# KiCad board pcb.kicad_pcb (continued)
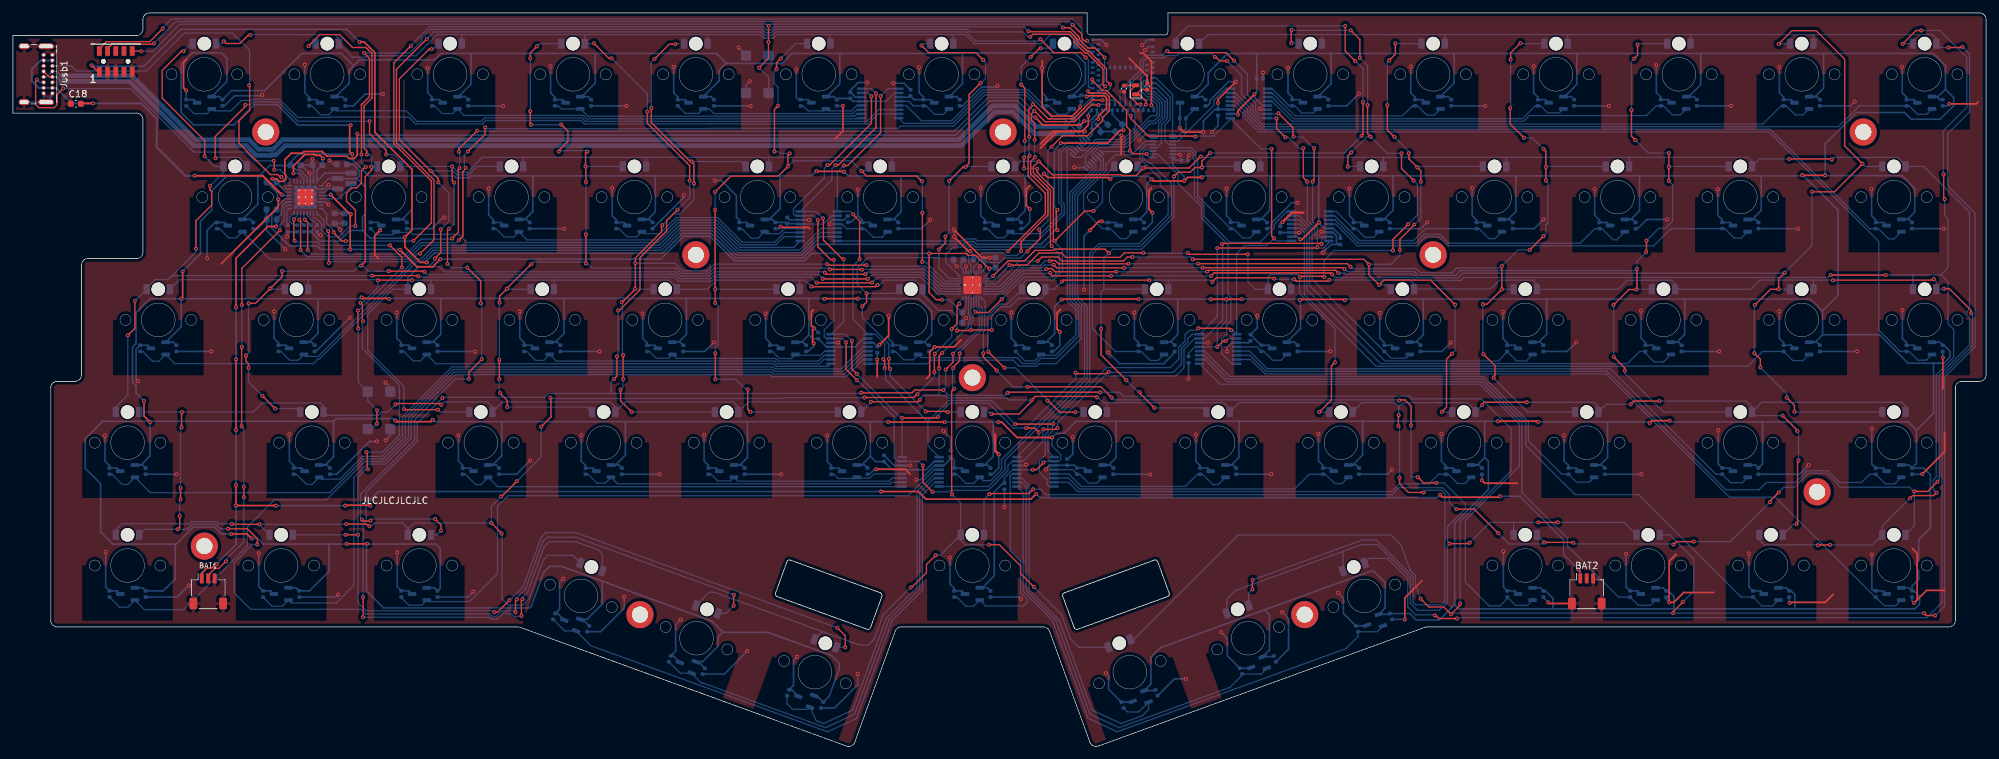
[diagram p0: board, top side]
## Library data of the parts
BAT1 BAT2 = -: Description: PS5 battery pack (red->power, black->ground, white->ntc); ki_fp_filters: TSSOP*4.4x9.7mm*P0.65mm*
C1-C4 C10-C12 C25 C26 = -: Description: Capacitor, X5R, 25 V, ±20%; ki_fp_filters: C_*
C5-C9 C14-C17 C20-C24 C28-C31 = -: Description: Capacitor, X5R, ±10%, at least 2xVdd (>=5V); ki_fp_filters: C_*
C13 C33 = -: Description: Capacitor, X5R, ±10%; ki_fp_filters: C_*
C18 C19 C34-C36 = -: Description: Capacitor, X5R, 10 V, ±10%; ki_fp_filters: C_*
C27 C32 = -: Description: Capacitor, X7R, 16 V, ±10%; ki_fp_filters: C_*
Cvcc1-Cvcc72 Cvout1-Cvout72 = -: Description: Unpolarized capacitor, small symbol; ki_fp_filters: C_*
D1-D72 = -: Datasheet: https://www.we-online.com/components/products/datasheet/156120VS75300.pdf; Description: Light emitting diode, small symbol, filled shape; Sim.Pins: 1=K 2=A; ki_fp_filters: LED* LED_SMD:* LED_THT:*
Hs1-Hs10 = -: Description: Mounting Hole without connection; ki_fp_filters: MountingHole*
JTAG1 = -: Datasheet: http://infocenter.arm.com/help/topic/com.arm.doc.ddi0314h/DDI0314H_coresight_components_trm.pdf; Description: Cortex Debug Connector, standard ARM Cortex-M SWD and JTAG interface; ki_fp_filters: PinHeader?2x05?P1.27mm*
Jusb1 = -: ki_fp_filters: CON_XKB_U262-161N-4BVC11
L1 = -: Description: Inductor, DCR < 400 mΩ, ±20%; Ex: Murata DFE201210U-2R2M Samsung CIGT201610EH2R2MNE  Samsung CIGT252008LM2R2MNE  Taiyo Yuden MDKK1616T2R2MM; ki_fp_filters: Choke_* *Coil* Inductor_* L_*
L2 = -: Description: Inductor, DCR < 400 mΩ, ±20%; ki_fp_filters: Choke_* *Coil* Inductor_* L_*
LEDDR1 = -: Datasheet: http://www.ti.com/lit/ds/symlink/lp5864.pdf; Description: 72-Channel 12-Bit PWM Ultra-low Quiescent Current I2C RGB LED Driver; ki_fp_filters: VQFN?46?1EP?5x6mm?P0.4mm?EP2.8x3.8mm*
MDBT1 = -: Description: Raytac Corporation / MDBT50 / Bluetooth Low Energy Module based on Noridc nRF52840 / Source: / • Raytac datasheet
MUXA1 MUXA2 = -: Datasheet: https://www.ti.com/lit/ds/symlink/tmux1574.pdf; Description: Low Capacitance, 4-Channel, 2 to 1 Switch, Powered-off Protection with 1.8V logic, TSOT-23-16; ki_fp_filters: *TSOT*23?16*
MUXB1-MUXB8 = -: Datasheet: https://www.ti.com/lit/ds/symlink/tmux1108.pdf; Description: 5V / ±2.5V, Low-Leakage-Current, 8:1 Precision Multiplexer, 2.5 Ohm Ron, 90Mhz, TSSOP-16; ki_fp_filters: TSSOP*4.4x5mm*P0.65mm*
PMIC1 = -: Datasheet: https://docs.nordicsemi.com/bundle/ps_npm1300; Description: PMIC, LED Driver, Battery Charger, QFN-32; ki_fp_filters: QFN*32*1EP*5x5mm*P0.5mm*EP3.6x3.6mm*
R1-R4 = -: Description: Resistor, small symbol; ki_fp_filters: R_*
R5 R6 = -: Description: Resistor, 0.05 W, ±1%, to select 1.8v at buck converter #1 on reset; ki_fp_filters: R_*
S1-S72 = -: Description: Gateron Low profile magentic switch; Descr2: Center hole dia: Gateron 5.2mm, Kailh 5mm
Stb1 Stb2 = -: Descr2: Center hole dia: Gateron 5.2mm, Kailh 5mm
SW1 SW2 = -: Description: 1x DIP Switch, Single Pole Single Throw (SPST) switch, small symbol; ki_fp_filters: SW?DIP?x1*
TMR1-TMR72 = -: Description: TMR sensor by MDT, z-axis sensitivity, SOT23-3; ki_fp_filters: SOT?23*
Y1 = -: Description: Two pin crystal, small symbol; ki_fp_filters: Crystal*

## Footprints (pads in the part's own frame, mm; a bottom-side part is the same pattern mirrored in y, then rotated)
Aliexpress_SW_TACT_4x4x1.5mm
  rrect 1.6x1.6 smd: 1(-2.9,1.75) 1(2.9,1.75) 2(-2.9,-1.75) 2(2.9,-1.75)
C_0402_1005Metric
  rrect 0.56x0.62 smd: 1(-0.48,0) 2(0.48,0)
C_0603_1608Metric
  rrect 0.9x0.95 smd: 1(-0.775,0) 2(0.775,0)
Crystal_SMD_2012-2Pin_2.0x1.2mm
  rrect 0.6x1.1 smd: 1(-0.7,0) 2(0.7,0)
JST_SH_SM03B-SRSS-TB_1x03-1MP_P1.00mm_Horizontal
  rrect 0.6x1.55 smd: 1(-1,2) 2(0,2) 3(1,2)
  rrect 1.2x1.8 smd: MP(-2.3,-1.875) MP(2.3,-1.875)
L_Samsung_CIGT201610EH2R2MNE
  rrect 0.8x1.8 smd: 1(-0.8,0) 2(0.8,0)
LED_1206_3216Metric_ReverseMount_Hole2.1mm
  round 2.1 hole 2.1 unplated: (0,0)
  rrect 1x1.6 smd: 1(-1.8,0) 2(1.8,0)
LP5864-VQFN-32-1EP_4x4mm_P0.4mm_EP2.8x2.8mm_ThermalVias
  rrect 1.17x1.17 smd: (-0.7,-0.7) (-0.7,0.7) (0.7,-0.7) (0.7,0.7)
  rrect 0.7x0.2 smd: 1(-1.988,1.4) 2(-1.988,1) 3(-1.988,0.6) 4(-1.988,0.2) 5(-1.988,-0.2) 6(-1.988,-0.6) 7(-1.988,-1) 8(-1.988,-1.4) 17(1.988,-1.4) 18(1.988,-1) 19(1.988,-0.6) 20(1.988,-0.2) 21(1.988,0.2) 22(1.988,0.6) 23(1.988,1) 24(1.988,1.4)
  rrect 0.2x0.7 smd: 9(-1.4,-1.988) 10(-1,-1.988) 11(-0.6,-1.988) 12(-0.2,-1.988) 13(0.2,-1.988) 14(0.6,-1.988) 15(1,-1.988) 16(1.4,-1.988) 25(1.4,1.988) 26(1,1.988) 27(0.6,1.988) 28(0.2,1.988) 29(-0.2,1.988) 30(-0.6,1.988) 31(-1,1.988) 32(-1.4,1.988)
  round 0.5 hole 0.2: 33(-1.15,0) 33(0,-1.15) 33(0,0) 33(0,1.15) 33(1.15,0)
  rrect 2.8x2.8 smd far side: 33(0,0)
  rrect 2.8x2.8 smd: 33(0,0)
QFN-32-1EP_5x5mm_P0.5mm_EP3.6x3.6mm_ThermalVias
  rrect 0.97x0.97 smd: (-1.2,-1.2) (-1.2,0) (-1.2,1.2) (0,-1.2) (0,0) (0,1.2) (1.2,-1.2) (1.2,0) (1.2,1.2)
  rrect 0.8x0.25 smd: 1(-2.45,1.75) 2(-2.45,1.25) 3(-2.45,0.75) 4(-2.45,0.25) 5(-2.45,-0.25) 6(-2.45,-0.75) 7(-2.45,-1.25) 8(-2.45,-1.75) 17(2.45,-1.75) 18(2.45,-1.25) 19(2.45,-0.75) 20(2.45,-0.25) 21(2.45,0.25) 22(2.45,0.75) 23(2.45,1.25) 24(2.45,1.75)
  rrect 0.25x0.8 smd: 9(-1.75,-2.45) 10(-1.25,-2.45) 11(-0.75,-2.45) 12(-0.25,-2.45) 13(0.25,-2.45) 14(0.75,-2.45) 15(1.25,-2.45) 16(1.75,-2.45) 25(1.75,2.45) 26(1.25,2.45) 27(0.75,2.45) 28(0.25,2.45) 29(-0.25,2.45) 30(-0.75,2.45) 31(-1.25,2.45) 32(-1.75,2.45)
  round 0.5 hole 0.2: 33(-1,-1) 33(-1,0) 33(-1,1) 33(0,-1) 33(0,0) 33(0,1) 33(1,-1) 33(1,0) 33(1,1)
  rect 2.5x2.5 smd far side: 33(0,0)
  rect 3.6x3.6 smd: 33(0,0)
R_0402_1005Metric
  rrect 0.54x0.64 smd: 1(-0.51,0) 2(0.51,0)
R_0603_1608Metric
  rrect 0.8x0.95 smd: 1(-0.825,0) 2(0.825,0)
Raytac_MDBT50Q
  rect 0.6x0.4 smd: 1(-4.65,3.75) 2(-4.65,2.65) 3(-4.65,1.85) 4(-4.65,0.25) 5(-3.75,-0.15) 6(-4.65,-0.55) 7(-3.75,-0.95) 8(-4.65,-1.35) 9(-3.75,-1.75) 10(-4.65,-2.15) 11(-3.75,-2.55) 12(-4.65,-2.95) 13(-3.75,-3.35) 14(-4.65,-3.75) 34(4.65,-6.15) 35(4.65,-5.35) 36(3.75,-4.95) 37(4.65,-4.55) 38(3.75,-4.15) 39(4.65,-3.75) 40(3.75,-3.35) 41(4.65,-2.95) 42(3.75,-2.55) 43(3.75,-1.75) 44(4.65,-1.35) 45(3.75,-0.95) 46(4.65,-0.55) 47(3.75,-0.15) 48(4.65,0.25) 49(3.75,0.65) 50(3.75,1.45) 51(4.65,1.85) 52(3.75,2.25) 53(4.65,2.65) 54(3.75,3.05) 55(4.65,3.75)
  rect 0.4x0.6 smd: 15(-4.8,-7.15) 16(-4,-7.15) 17(-3.2,-7.15) 18(-2.4,-7.15) 19(-2,-6.25) 20(-1.6,-7.15) 21(-1.2,-6.25) 22(-0.8,-7.15) 23(-0.4,-6.25) 24(0,-7.15) 25(0.4,-6.25) 26(0.8,-7.15) 27(1.2,-6.25) 28(1.6,-7.15) 29(2,-6.25) 30(2.4,-7.15) 31(3.2,-7.15) 32(4,-7.15) 33(4.8,-7.15) 56(-2,-0.55) 57(-1.2,-0.55) 58(-0.4,-0.55) 59(0.4,-0.55) 60(1.2,-0.55) 61(2,-0.55)
SAMTEC-CLP-105-02-X-D-A
  round 0.74 hole 0.74 unplated: (-1.905,0) (1.905,0)
  rect 0.74x1.47 smd: 1(-2.54,-1.613) 2(-2.54,1.613) 3(-1.27,-1.613) 4(-1.27,1.613) 5(0,-1.613) 6(0,1.613) 7(1.27,-1.613) 8(1.27,1.613) 9(2.54,-1.613) 10(2.54,1.613)
SMTSO_M1.6
  round 4.2 hole 2.5: (0,0)
SOT-23-3
  rrect 1.325x0.6 smd: 1(-1.137,0.95) 2(-1.137,-0.95) 3(1.137,0)
Texas_DYY0016A_TSOT-23-16_2x4.2mm_P0.5mm
  rrect 1.05x0.3 smd: 1(-1.5,1.75) 2(-1.5,1.25) 3(-1.5,0.75) 4(-1.5,0.25) 5(-1.5,-0.25) 6(-1.5,-0.75) 7(-1.5,-1.25) 8(-1.5,-1.75) 9(1.5,-1.75) 10(1.5,-1.25) 11(1.5,-0.75) 12(1.5,-0.25) 13(1.5,0.25) 14(1.5,0.75) 15(1.5,1.25) 16(1.5,1.75)
TSSOP-16_4.4x5mm_P0.65mm
  rrect 1.475x0.4 smd: 1(-2.862,2.275) 2(-2.862,1.625) 3(-2.862,0.975) 4(-2.862,0.325) 5(-2.862,-0.325) 6(-2.862,-0.975) 7(-2.862,-1.625) 8(-2.862,-2.275) 9(2.862,-2.275) 10(2.862,-1.625) 11(2.862,-0.975) 12(2.862,-0.325) 13(2.862,0.325) 14(2.862,0.975) 15(2.862,1.625) 16(2.862,2.275)
USB_C_Receptacle_GCT_USB4085
  round 0.65 hole 0.4: A1(0,0) A4(0.85,0) A5(1.7,0) A6(2.55,0) A7(3.4,0) A8(4.25,0) A9(5.1,0) A12(5.95,0) B1(5.95,-1.35) B4(5.1,-1.35) B5(4.25,-1.35) B6(3.4,-1.35) B7(2.55,-1.35) B8(1.7,-1.35) B9(0.85,-1.35) B12(0,-1.35)
  oval 0.9x2.4 hole 0.6x2.1: S1(-1.35,-0.98) S1(7.3,-0.98)
  oval 0.9x1.7 hole 0.6x1.4: S1(-1.35,-4.36) S1(7.3,-4.36)

## Nets
/VBAT: BAT1.1 BAT2.1 C32.1 PMIC1.19
/VBUSOUT: C1.1 C19.1 MDBT1.32 PMIC1.22
/VDDIO: C3.1 C13.2 C25.1 JTAG1.1 L1.1 MDBT1.28 MDBT1.30 PMIC1.1 PMIC1.12 R3.1 R4.1
GND: BAT1.3 BAT1.MP BAT2.3 BAT2.MP C1.2 C2.2 C3.2 C4.2 C5.1 C6.1 C7.1 C8.1 C9.1 C10.2 C11.2 C12.2 C13.1 C14.1 C14.2 C15.1 C15.2 C16.1 C16.2 C17.1 C17.2 C18.2 C19.2 C20.1 C21.1 C22.1 C23.1 C24.1 C25.2 C26.2 C27.2 C28.1 C28.2 C29.1 C29.2 C30.1 C30.2 C31.1 C31.2 C32.2 C33.2 C34.1 C35.2 C36.2 Cvcc1.2 Cvcc2.2 Cvcc3.2 Cvcc4.2 Cvcc5.2 Cvcc6.2 Cvcc7.2 Cvcc8.2 Cvcc9.2 Cvcc10.2 Cvcc11.2 Cvcc12.2 Cvcc13.2 Cvcc14.2 Cvcc15.2 Cvcc16.2 Cvcc17.2 Cvcc18.2 Cvcc19.2 Cvcc20.2 Cvcc21.2 Cvcc22.2 Cvcc23.2 Cvcc24.2 Cvcc25.2 Cvcc26.2 Cvcc27.2 Cvcc28.2 Cvcc29.2 Cvcc30.2 Cvcc31.2 Cvcc32.2 Cvcc33.2 Cvcc34.2 Cvcc35.2 Cvcc36.2 Cvcc37.2 Cvcc38.2 Cvcc39.2 Cvcc40.2 Cvcc41.2 Cvcc42.2 Cvcc43.2 Cvcc44.2 Cvcc45.2 Cvcc46.2 Cvcc47.2 Cvcc48.2 Cvcc49.2 Cvcc50.2 Cvcc51.2 Cvcc52.2 Cvcc53.2 Cvcc54.2 Cvcc55.2 Cvcc56.2 Cvcc57.2 Cvcc58.2 Cvcc59.2 Cvcc60.2 Cvcc61.2 Cvcc62.2 Cvcc63.2 Cvcc64.2 Cvcc65.2 Cvcc66.2 Cvcc67.2 Cvcc68.2 Cvcc69.2 Cvcc70.2 Cvcc71.2 Cvcc72.2 Cvout1.2 Cvout2.2 Cvout3.2 Cvout4.2 Cvout5.2 Cvout6.2 Cvout7.2 Cvout8.2 Cvout9.2 Cvout10.2 Cvout11.2 Cvout12.2 Cvout13.2 Cvout14.2 Cvout15.2 Cvout16.2 Cvout17.2 Cvout18.2 Cvout19.2 Cvout20.2 Cvout21.2 Cvout22.2 Cvout23.2 Cvout24.2 Cvout25.2 Cvout26.2 Cvout27.2 Cvout28.2 Cvout29.2 Cvout30.2 Cvout31.2 Cvout32.2 Cvout33.2 Cvout34.2 Cvout35.2 Cvout36.2 Cvout37.2 Cvout38.2 Cvout39.2 Cvout40.2 Cvout41.2 Cvout42.2 Cvout43.2 Cvout44.2 Cvout45.2 Cvout46.2 Cvout47.2 Cvout48.2 Cvout49.2 Cvout50.2 Cvout51.2 Cvout52.2 Cvout53.2 Cvout54.2 Cvout55.2 Cvout56.2 Cvout57.2 Cvout58.2 Cvout59.2 Cvout60.2 Cvout61.2 Cvout62.2 Cvout63.2 Cvout64.2 Cvout65.2 Cvout66.2 Cvout67.2 Cvout68.2 Cvout69.2 Cvout70.2 Cvout71.2 Cvout72.2 JTAG1.3 JTAG1.5 JTAG1.9 Jusb1.A1 Jusb1.A12 Jusb1.B1 Jusb1.B12 Jusb1.S1 LEDDR1.26 LEDDR1.27 LEDDR1.30 LEDDR1.31 LEDDR1.33 MDBT1.1 MDBT1.2 MDBT1.15 MDBT1.33 MDBT1.55 MUXA1.8 MUXA1.15 MUXA2.8 MUXA2.15 MUXB1.3 MUXB1.14 MUXB2.3 MUXB2.14 MUXB3.3 MUXB3.14 MUXB4.3 MUXB4.14 MUXB5.3 MUXB5.14 MUXB6.3 MUXB6.14 MUXB7.3 MUXB7.14 MUXB8.3 MUXB8.14 PMIC1.2 PMIC1.6 PMIC1.30 PMIC1.31 PMIC1.33 R5.1 R6.1 SW1.1 SW2.1 TMR1.3 TMR2.3 TMR3.3 TMR4.3 TMR5.3 TMR6.3 TMR7.3 TMR8.3 TMR9.3 TMR10.3 TMR11.3 TMR12.3 TMR13.3 TMR14.3 TMR15.3 TMR16.3 TMR17.3 TMR18.3 TMR19.3 TMR20.3 TMR21.3 TMR22.3 TMR23.3 TMR24.3 TMR25.3 TMR26.3 TMR27.3 TMR28.3 TMR29.3 TMR30.3 TMR31.3 TMR32.3 TMR33.3 TMR34.3 TMR35.3 TMR36.3 TMR37.3 TMR38.3 TMR39.3 TMR40.3 TMR41.3 TMR42.3 TMR43.3 TMR44.3 TMR45.3 TMR46.3 TMR47.3 TMR48.3 TMR49.3 TMR50.3 TMR51.3 TMR52.3 TMR53.3 TMR54.3 TMR55.3 TMR56.3 TMR57.3 TMR58.3 TMR59.3 TMR60.3 TMR61.3 TMR62.3 TMR63.3 TMR64.3 TMR65.3 TMR66.3 TMR67.3 TMR68.3 TMR69.3 TMR70.3 TMR71.3 TMR72.3
VCCS: C5.2 C6.2 C7.2 C8.2 C9.2 C20.2 C21.2 C22.2 C23.2 C24.2 C27.1 Cvcc1.1 Cvcc2.1 Cvcc3.1 Cvcc4.1 Cvcc5.1 Cvcc6.1 Cvcc7.1 Cvcc8.1 Cvcc9.1 Cvcc10.1 Cvcc11.1 Cvcc12.1 Cvcc13.1 Cvcc14.1 Cvcc15.1 Cvcc16.1 Cvcc17.1 Cvcc18.1 Cvcc19.1 Cvcc20.1 Cvcc21.1 Cvcc22.1 Cvcc23.1 Cvcc24.1 Cvcc25.1 Cvcc26.1 Cvcc27.1 Cvcc28.1 Cvcc29.1 Cvcc30.1 Cvcc31.1 Cvcc32.1 Cvcc33.1 Cvcc34.1 Cvcc35.1 Cvcc36.1 Cvcc37.1 Cvcc38.1 Cvcc39.1 Cvcc40.1 Cvcc41.1 Cvcc42.1 Cvcc43.1 Cvcc44.1 Cvcc45.1 Cvcc46.1 Cvcc47.1 Cvcc48.1 Cvcc49.1 Cvcc50.1 Cvcc51.1 Cvcc52.1 Cvcc53.1 Cvcc54.1 Cvcc55.1 Cvcc56.1 Cvcc57.1 Cvcc58.1 Cvcc59.1 Cvcc60.1 Cvcc61.1 Cvcc62.1 Cvcc63.1 Cvcc64.1 Cvcc65.1 Cvcc66.1 Cvcc67.1 Cvcc68.1 Cvcc69.1 Cvcc70.1 Cvcc71.1 Cvcc72.1 MUXA1.16 MUXA2.16 MUXB1.2 MUXB1.13 MUXB2.2 MUXB2.13 MUXB3.2 MUXB3.13 MUXB4.2 MUXB4.13 MUXB5.2 MUXB5.13 MUXB6.2 MUXB6.13 MUXB7.2 MUXB7.13 MUXB8.2 MUXB8.13 PMIC1.29 TMR1.1 TMR2.1 TMR3.1 TMR4.1 TMR5.1 TMR6.1 TMR7.1 TMR8.1 TMR9.1 TMR10.1 TMR11.1 TMR12.1 TMR13.1 TMR14.1 TMR15.1 TMR16.1 TMR17.1 TMR18.1 TMR19.1 TMR20.1 TMR21.1 TMR22.1 TMR23.1 TMR24.1 TMR25.1 TMR26.1 TMR27.1 TMR28.1 TMR29.1 TMR30.1 TMR31.1 TMR32.1 TMR33.1 TMR34.1 TMR35.1 TMR36.1 TMR37.1 TMR38.1 TMR39.1 TMR40.1 TMR41.1 TMR42.1 TMR43.1 TMR44.1 TMR45.1 TMR46.1 TMR47.1 TMR48.1 TMR49.1 TMR50.1 TMR51.1 TMR52.1 TMR53.1 TMR54.1 TMR55.1 TMR56.1 TMR57.1 TMR58.1 TMR59.1 TMR60.1 TMR61.1 TMR62.1 TMR63.1 TMR64.1 TMR65.1 TMR66.1 TMR67.1 TMR68.1 TMR69.1 TMR70.1 TMR71.1 TMR72.1
/AIN0: MDBT1.11 MUXA1.4
/AIN1: MDBT1.9 MUXA1.7
/AIN2: MDBT1.20 MUXA1.12
/AIN3: MDBT1.21 MUXA1.9
/AIN4: MDBT1.13 MUXA2.7
/AIN5: MDBT1.10 MUXA2.9
/AIN6: MDBT1.14 MUXA2.4
/AIN7: MDBT1.12 MUXA2.12
/ANA_01: Cvout1.1 MUXB1.7 TMR1.2
/ANA_02: Cvout2.1 MUXB1.6 TMR2.2
/ANA_03: Cvout3.1 MUXB1.9 TMR3.2
/ANA_04: Cvout4.1 MUXB1.10 TMR4.2
/ANA_05: Cvout5.1 MUXB1.11 TMR5.2
/ANA_06: Cvout6.1 MUXB1.12 TMR6.2
/ANA_07: Cvout7.1 MUXB1.4 TMR7.2
/ANA_08: Cvout8.1 MUXB1.5 TMR8.2
/ANA_09: Cvout9.1 MUXA2.10 TMR9.2
/ANA_10: Cvout10.1 MUXB5.9 TMR10.2
/ANA_11: Cvout11.1 MUXB5.10 TMR11.2
/ANA_12: Cvout12.1 MUXB5.11 TMR12.2
/ANA_13: Cvout13.1 MUXB5.12 TMR13.2
/ANA_14: Cvout14.1 MUXB5.7 TMR14.2
/ANA_15: Cvout15.1 MUXB5.6 TMR15.2
/ANA_16: Cvout16.1 MUXB2.5 TMR16.2
/ANA_17: Cvout17.1 MUXB2.9 TMR17.2
/ANA_18: Cvout18.1 MUXB2.10 TMR18.2
/ANA_19: Cvout19.1 MUXB2.11 TMR19.2
/ANA_20: Cvout20.1 MUXB2.12 TMR20.2
/ANA_21: Cvout21.1 MUXB2.4 TMR21.2
/ANA_22: Cvout22.1 MUXA1.13 TMR22.2
/ANA_23: Cvout23.1 MUXA2.6 TMR23.2
/ANA_24: Cvout24.1 MUXA2.13 TMR24.2
/ANA_25: Cvout25.1 MUXB6.9 TMR25.2
/ANA_26: Cvout26.1 MUXB6.10 TMR26.2
/ANA_27: Cvout27.1 MUXB6.11 TMR27.2
/ANA_28: Cvout28.1 MUXB6.12 TMR28.2
/ANA_29: Cvout29.1 MUXB5.5 TMR29.2
/ANA_30: Cvout30.1 MUXB2.7 TMR30.2
/ANA_31: Cvout31.1 MUXB2.6 TMR31.2
/ANA_32: Cvout32.1 MUXB3.9 TMR32.2
/ANA_33: Cvout33.1 MUXB3.10 TMR33.2
/ANA_34: Cvout34.1 MUXB3.11 TMR34.2
/ANA_35: Cvout35.1 MUXB3.12 TMR35.2
/ANA_36: Cvout36.1 MUXA1.6 TMR36.2
/ANA_37: Cvout37.1 MUXA1.10 TMR37.2
/ANA_38: Cvout38.1 MUXA2.3 TMR38.2
/ANA_39: Cvout39.1 MUXB7.4 TMR39.2
/ANA_40: Cvout40.1 MUXB6.7 TMR40.2
/ANA_41: Cvout41.1 MUXB6.6 TMR41.2
/ANA_42: Cvout42.1 MUXB6.5 TMR42.2
/ANA_43: Cvout43.1 MUXB6.4 TMR43.2
/ANA_44: Cvout44.1 MUXB5.4 TMR44.2
/ANA_45: Cvout45.1 MUXB3.5 TMR45.2
/ANA_46: Cvout46.1 MUXB3.4 TMR46.2
/ANA_47: Cvout47.1 MUXB4.9 TMR47.2
/ANA_48: Cvout48.1 MUXB4.10 TMR48.2
/ANA_49: Cvout49.1 MUXB4.11 TMR49.2
/ANA_50: Cvout50.1 MUXB4.12 TMR50.2
/ANA_51: Cvout51.1 MUXA1.3 TMR51.2
/ANA_52: Cvout52.1 MUXB8.4 TMR52.2
/ANA_53: Cvout53.1 MUXB8.5 TMR53.2
/ANA_54: Cvout54.1 MUXB8.6 TMR54.2
/ANA_55: Cvout55.1 MUXB8.7 TMR55.2
/ANA_56: Cvout56.1 MUXB7.12 TMR56.2
/ANA_57: Cvout57.1 MUXB7.5 TMR57.2
/ANA_58: Cvout58.1 MUXB7.6 TMR58.2
/ANA_59: Cvout59.1 MUXB3.6 TMR59.2
/ANA_60: Cvout60.1 MUXB3.7 TMR60.2
/ANA_61: Cvout61.1 MUXB4.4 TMR61.2
/ANA_62: Cvout62.1 MUXB4.7 TMR62.2
/ANA_63: Cvout63.1 MUXB4.6 TMR63.2
/ANA_64: Cvout64.1 MUXB4.5 TMR64.2
/ANA_65: Cvout65.1 MUXB8.12 TMR65.2
/ANA_66: Cvout66.1 MUXB8.11 TMR66.2
/ANA_67: Cvout67.1 MUXB8.10 TMR67.2
/ANA_68: Cvout68.1 MUXB8.9 TMR68.2
/ANA_69: Cvout69.1 MUXB7.9 TMR69.2
/ANA_70: Cvout70.1 MUXB7.10 TMR70.2
/ANA_71: Cvout71.1 MUXB7.11 TMR71.2
/ANA_72: Cvout72.1 MUXB7.7 TMR72.2
/CS0: D9.1 D24.1 D38.1 D53.1 LEDDR1.2
/CS1: D10.1 D25.1 D39.1 D54.1 LEDDR1.3
/CS2: D11.1 D26.1 D40.1 D55.1 LEDDR1.4
/CS3: D12.1 D27.1 D41.1 D56.1 LEDDR1.5
/CS4: D13.1 D28.1 D42.1 D57.1 LEDDR1.6
/CS5: D14.1 D29.1 D43.1 D58.1 LEDDR1.7
/CS6: D15.1 D44.1 D71.1 D72.1 LEDDR1.8
/CS7: D67.1 D68.1 D69.1 D70.1 LEDDR1.9
/CS8: D63.1 D64.1 D65.1 D66.1 LEDDR1.10
/CS9: D59.1 D60.1 D61.1 D62.1 LEDDR1.16
/CS10: D1.1 D16.1 D30.1 D45.1 LEDDR1.17
/CS11: D2.1 D17.1 D31.1 D46.1 LEDDR1.18
/CS12: D3.1 D18.1 D32.1 D47.1 LEDDR1.19
/CS13: D4.1 D19.1 D33.1 D48.1 LEDDR1.20
/CS14: D5.1 D20.1 D34.1 D49.1 LEDDR1.21
/CS15: D6.1 D21.1 D35.1 D50.1 LEDDR1.22
/CS16: D7.1 D22.1 D36.1 D51.1 LEDDR1.23
/CS17: D8.1 D23.1 D37.1 D52.1 LEDDR1.24
/GPIO_X: MDBT1.38 PMIC1.10
/INT: MDBT1.36 PMIC1.8
/LED_DR_EN: C33.1 LEDDR1.32 MDBT1.37
/LOADSW_CTRL: MDBT1.39 PMIC1.9
/MUX_B_1: MUXA1.14 MUXB1.8
/MUX_B_2: MUXA1.11 MUXB2.8
/MUX_B_3: MUXA1.5 MUXB3.8
/MUX_B_4: MUXA1.2 MUXB4.8
/MUX_B_5: MUXA2.11 MUXB5.8
/MUX_B_6: MUXA2.14 MUXB6.8
/MUX_B_7: MUXA2.2 MUXB7.8
/MUX_B_8: MUXA2.5 MUXB8.8
/MUXA_SEL: MDBT1.41 MUXA1.1 MUXA2.1
/MUXB_SEL_0: MDBT1.22 MUXB1.1 MUXB2.1 MUXB3.1 MUXB4.1 MUXB5.1 MUXB6.1 MUXB7.1 MUXB8.1
/MUXB_SEL_1: MDBT1.23 MUXB1.16 MUXB2.16 MUXB3.16 MUXB4.16 MUXB5.16 MUXB6.16 MUXB7.16 MUXB8.16
/MUXB_SEL_2: MDBT1.25 MUXB1.15 MUXB2.15 MUXB3.15 MUXB4.15 MUXB5.15 MUXB6.15 MUXB7.15 MUXB8.15
/NRESET: JTAG1.10 MDBT1.40 SW1.2
/SCL: LEDDR1.28 MDBT1.27 PMIC1.14 R3.2
/SDA: LEDDR1.29 MDBT1.29 PMIC1.13 R4.2
/SW0: D1.2 D2.2 D3.2 D4.2 D5.2 D6.2 D7.2 D8.2 D9.2 D10.2 D11.2 D12.2 D13.2 D14.2 D15.2 D62.2 D66.2 D70.2 LEDDR1.11
/SW1: D16.2 D17.2 D18.2 D19.2 D20.2 D21.2 D22.2 D23.2 D24.2 D25.2 D26.2 D27.2 D28.2 D29.2 D61.2 D65.2 D69.2 D72.2 LEDDR1.12
/SW2: D30.2 D31.2 D32.2 D33.2 D34.2 D35.2 D36.2 D37.2 D38.2 D39.2 D40.2 D41.2 D42.2 D43.2 D44.2 D60.2 D64.2 D68.2 LEDDR1.13
/SW3: D45.2 D46.2 D47.2 D48.2 D49.2 D50.2 D51.2 D52.2 D53.2 D54.2 D55.2 D56.2 D57.2 D58.2 D59.2 D63.2 D67.2 D71.2 LEDDR1.14
/SWDCLK: JTAG1.4 MDBT1.53
/SWDIO: JTAG1.2 MDBT1.51
/USB_D+: Jusb1.A6 Jusb1.B6 R1.2
/USB_D-: Jusb1.A7 Jusb1.B7 R2.2
/VOUT2: C26.1 L2.1 PMIC1.28 PMIC1.32
/VSYS: C10.1 C11.1 C12.1 C35.1 C36.1 LEDDR1.1 LEDDR1.15 PMIC1.4 PMIC1.20
Net-(BAT1-NTC): BAT1.2 PMIC1.18
Net-(Jusb1-CC1): Jusb1.A5 PMIC1.23
Net-(Jusb1-CC2): Jusb1.B5 PMIC1.24
Net-(LEDDR1-VCAP): C34.2 LEDDR1.25
Net-(MDBT1-D+): MDBT1.35 R1.1
Net-(MDBT1-D-): MDBT1.34 R2.1
Net-(MDBT1-P0.00/XL1): C2.1 MDBT1.17 Y1.1
Net-(MDBT1-P0.01/XL2): C4.1 MDBT1.18 Y1.2
Net-(PMIC1-SHPHLD): PMIC1.15 SW2.2
Net-(PMIC1-SW1): L1.2 PMIC1.3
Net-(PMIC1-SW2): L2.2 PMIC1.5
Net-(PMIC1-VBUS): C18.1 Jusb1.A4 Jusb1.A9 Jusb1.B4 Jusb1.B9 PMIC1.21
Net-(PMIC1-VSET1): PMIC1.17 R5.2
Net-(PMIC1-VSET2): PMIC1.16 R6.2

Pads without a net: BAT2 2; JTAG1 6 7 8; Jusb1 A8 B8; MDBT1 3 4 5 6 7 8 16 19 24 26 31 42 43 44 45 46 47 48 49 50 52 54 56 57 58 59 60 61; PMIC1 7 11 25 26 27

## Via types
v1: diameter 0.6, hole 0.3, Top to Bottom, 818 vias

## Routing (per net, layer and track width the routed paths; a pad name or vN(x,y) marks a point on that pad's centre or on a via; arc(x,y) is an arc through that point)
/VBAT: length 283.5
  Top w0.2: v1(242.06,27.35) 242.35,27.06 BAT2.1
  Top w0.25: BAT1.1 29.19,26.77 29.93,27.51 30.65,27.51 31.28,28.14 v1(31.57,28.14) ; v1(34.5,59.84) v1(34.5,48.9) ; v1(158.22,39.03) 157.4,38.21 141.17,38.21 139.99,39.39 v1(134.23,39.39) ; v1(40.7,80.4) 39.41,80.4 34.5,75.49 v1(34.5,67.89) ; v1(220.67,38.9) 221.07,38.5 229.77,38.5 v1(229.93,38.66) ; v1(51.37,37.21) 51.42,37.26 55.21,37.26 v1(55.26,37.21) ; v1(40.67,37.2) 40.65,37.22 v1(34.49,37.22) v1(34.49,40.42)
  Bottom w0.2: 239.77,31.89 239.77,29.64 v1(242.06,27.35)
  Bottom w0.25: v1(134.23,39.39) 56.51,39.39 55.26,38.14 v1(55.26,37.21) ; v1(34.49,40.42) 34.49,48.89 v1(34.5,48.9) ; 239.77,31.89 233,38.66 v1(229.93,38.66) ; v1(220.67,38.9) 220.22,38.45 158.8,38.45 v1(158.22,39.03) ; v1(34.5,59.84) v1(34.5,67.89) ; PMIC1.19 42.26,84.19 41.55,83.48 41.55,82.36 40.82,81.63 40.78,81.63 ; C32.1 40.79,80.49 v1(40.7,80.4) ; v1(34.49,37.22) 34.49,31.2 31.57,28.28 v1(31.57,28.14) ; v1(51.37,37.21) 51.36,37.2 v1(40.67,37.2)
/VBUSOUT: length 147.5
  Top w0.25: v1(53.25,94.76) 53.25,91.42 52.74,90.91 51.98,90.91 51.62,91.28 48.54,91.28 47.82,91.99 44.97,91.99 44.7,91.73 43.05,91.73 42.03,90.71 42.03,88.48 42.19,88.33 42.19,87.77 41.79,87.37 41.16,87.37 40.76,87.78 v1(40.12,87.78) ; v1(158.09,97.25) 159.24,96.1 165.06,96.1 v1(165.65,96.7)
  Bottom w0.25: C1.1 168.5,96.93 168.5,97.3 167.6,98.19 MDBT1.32 167.6,97.77 166.52,96.7 v1(165.65,96.7) ; v1(53.25,94.76) 53.48,94.52 145.74,94.52 151.05,99.83 155.31,99.83 157.9,97.25 v1(158.09,97.25) ; PMIC1.22 42.26,85.69 40.76,87.18 C19.1 40.76,87.77 40.76,87.78 v1(40.12,87.78)
/VDDIO: length 259.1
  Top w0.25: v1(64.01,74.84) 63.01,74.84 60.59,77.25 v1(60.59,78.75) 61.7,79.85 61.7,89.24 55.95,94.98 55.95,107.3 54.32,108.94 v1(53.6,108.94) ; v1(12.16,105.33) 13.16,104.32 JTAG1.1 ; v1(161.51,82.96) 161.33,82.79 161.33,79.98 v1(161.48,79.83) ; v1(171.72,95.27) 171.23,95.27 169.25,93.29 v1(162.04,93.29)
  Bottom w0.2: PMIC1.1 48.79,87.81 L1.1 ; R3.1 R4.1 46.05,79.61 C13.2 47.03,80.72 46.48,81.27 46.28,81.27 45.48,82.07 PMIC1.12
  Bottom w0.25: v1(161.48,79.83) 161.16,79.83 158.97,77.64 149.05,77.64 148.63,78.05 147.41,78.05 146.99,77.64 124.25,77.64 122.15,75.53 111.75,75.53 107.96,79.32 103.49,79.32 100.44,76.27 69.25,76.27 65.12,76.27 64.01,75.16 v1(64.01,74.84) ; 53.2,87.81 54.5,86.5 54.5,82.35 54.06,81.91 54.06,79.78 ; 53.2,87.81 L1.1 ; 53.2,87.81 53.54,88.14 53.54,89.07 52.6,90.01 C25.1 ; v1(171.72,95.27) 171.55,95.45 C3.1 170,97.73 MDBT1.28 MDBT1.30 ; R4.1 47.51,78.13 50.42,78.13 52.07,79.78 54.06,79.78 ; v1(162.04,93.29) 162.04,93.27 161.03,92.27 161.03,83.43 v1(161.51,82.96) ; 54.06,79.78 55.26,78.58 60.43,78.58 v1(60.59,78.75) ; v1(12.16,105.33) 12.3,105.19 20.25,105.19 25.96,110.9 51.64,110.9 v1(53.6,108.94)
GND: length 1285.5
  Top w0.25: v1(133.64,59.78) 133.64,57.04 ; v1(157.23,83.1) 156.7,83.63 156.7,86.16 157.23,86.7 ; v1(295.24,42.09) 298.69,45.54 298.69,48.58 ; v1(165.75,95.09) 161.45,95.09 158.87,92.52 ; 176.06,86.35 175.65,85.94 175.65,83.07 v1(176.19,82.53) ; v1(299.42,99.37) 303.58,99.37 303.86,99.65 ; v1(41.03,84.57) 41.03,83.45 32.21,74.62 ; v1(215.23,19.58) 215.23,22.95 217.86,25.58 ; v1(118.7,80.37) 118.81,80.26 122.99,80.26 123.22,80.03 ; 127.08,93.92 128.34,95.18 v1(128.34,99.06) ; v1(134,62.11) 135.41,63.52 v1(135.41,66.6) ; 262.95,23.79 262.92,23.76 258.33,23.76 256.81,22.24 v1(256.09,22.24) 256.09,28.59 257.19,29.69 ; v1(298.42,60.1) 298.42,55.33 298.41,55.32 298.4,55.32 ; 171.36,91.57 171.36,94.45 171.39,94.48 v1(171.42,94.48) ; 232.64,40.67 227.6,40.67 v1(227.14,41.13) ; 138.72,42.06 137.96,42.83 v1(133.49,42.83) ; v1(166.51,79.8) 167.91,81.2 v1(168.36,81.2) ; v1(165.01,98.95) 165.01,98.69 163.8,97.48 160.62,97.48 159.15,98.95 159.15,106.04 ; 123.78,67.51 123.45,67.18 123.45,65.08 v1(123.85,64.68) 123.65,64.48 123.65,62.47 v1(123.82,62.3) ; v1(161.87,64.1) 161.45,64.52 161.45,67.03 162,67.59 ; 146.64,62.88 145.51,61.75 v1(142.51,61.75) 141.76,61 141.76,57.34 141.27,56.85 ; C2.2 175.4,103.64 172.6,106.44 ; v1(237.41,22.23) 237.57,22.06 BAT2.MP ; v1(184.08,94.99) 181.07,94.99 v1(180.41,95.65) ; v1(26.79,101.44) 26.37,101.85 26.37,105.8 26.85,106.28 ; v1(186.34,99.51) 186.34,100.04 v1(189.11,102.81) ; v1(145.46,79.95) 149.83,75.58 v1(151.04,75.58) ; 293.67,30.6 294.45,29.82 294.45,22.63 v1(293.97,22.16) 295.9,24.09 298.73,24.09 ; v1(145.54,78.78) 147.74,76.58 v1(148.02,76.58) ; v1(166.28,97.48) 166.28,96.09 165.3,95.11 160.83,95.11 158.85,93.13 ; v1(274.72,22.16) 274.8,22.24 280.21,22.24 281.45,23.48 ; 174.3,107.25 174.74,107.25 176.04,105.94 v1(176.04,99.16) ; 56.49,75.48 55.94,76.03 55.94,78.97 v1(56.78,79.81)
  Top w0.35: 199.55,82.52 197.75,82.52 v1(196.31,81.08) ; 151.88,48.23 151.88,45.69 v1(152.44,45.13)
  Bottom w0.2: LEDDR1.33 148.95,71.94 LEDDR1.30 LEDDR1.31 149.35,74.03 v1(149.57,74.25) ; LEDDR1.27 LEDDR1.26 v1(147.35,74.22)
  Bottom w0.25: TMR48.3 89.73,43.02 Cvout48.2 88.55,43.42 87.88,44.09 v1(87.88,48.09) ; v1(40.38,67.27) 40.38,63.09 41.05,62.42 Cvout31.2 42.23,62.02 TMR31.3 ; v1(47.57,79.07) 47.22,79.07 47.03,79.26 C13.1 ; 130.64,82.08 129.63,81.07 C15.2 ; 130.64,82.08 v1(130.64,86.14) ; 130.64,82.08 131.3,81.42 Cvout21.2 132.48,81.02 TMR21.3 ; v1(118.79,42.04) 118.77,42.06 Cvcc49.2 ; Cvout52.2 165.73,43.02 TMR52.3 ; Cvout52.2 164.11,43.46 C31.2 161.01,43.46 MUXB8.3 160.23,43.41 159.72,42.91 v1(159.72,42.81) ; Cvout52.2 164.54,43.02 ; v1(99.98,42.05) 99.97,42.06 Cvcc48.2 ; Cvcc44.2 298.4,60.12 v1(298.42,60.1) ; v1(45.14,105.44) 45.14,101.08 45.8,100.42 Cvout2.2 46.98,100.02 TMR2.3 ; v1(142.51,61.75) 141.82,61.06 Cvcc36.2 ; Cvcc32.2 71.4,61.06 v1(71.44,61.02) ; v1(184.08,94.99) 184.08,96.72 185.89,98.53 C28.1 ; TMR1.3 27.98,100.02 Cvout1.2 26.8,101.43 v1(26.79,101.44) ; MDBT1.33 166.28,97.87 v1(166.28,97.48) ; C7.1 120.1,81.41 MUXB2.14 123.04,81.41 v1(123.07,81.39) ; v1(94.52,23.13) 94.52,21.34 90.87,17.69 Cvcc62.2 ; v1(187.65,86.28) 187.65,82.07 188.3,81.42 Cvout24.2 189.48,81.02 TMR24.3 ; MUXA2.8 175.02,94.58 v1(174.15,93.71) ; TMR49.3 108.73,43.02 Cvout49.2 107.55,43.42 106.87,44.1 v1(106.87,48.17) ; Cvcc42.2 v1(263.84,61.06) ; TMR26.3 227.48,81.02 Cvout26.2 226.3,81.42 225.63,82.09 v1(225.63,86.37) ; v1(50.3,23.45) 49.91,23.06 Cvcc60.2 ; v1(287.44,29.65) 287.44,24.32 287.74,24.02 Cvout72.2 289.23,24.02 TMR72.3 ; v1(182.91,48.23) 182.91,44.06 183.55,43.42 Cvout53.2 184.73,43.02 TMR53.3 ; v1(46.31,90.87) 46.29,90.85 C26.2 ; Cvcc24.2 194.21,80.06 194.61,80.46 194.61,80.94 197.74,84.07 v1(198.65,84.07) ; v1(256.09,22.24) 255.65,22.68 Cvcc70.2 ; v1(202.53,76.32) 203.83,77.62 C22.1 204.96,77.62 204.63,77.94 204.63,78.98 204.16,79.46 MUXB6.14 ; TMR46.3 44.61,43.02 Cvout46.2 43.43,43.42 42.74,44.1 v1(42.74,48.24) ; TMR39.3 194.23,62.02 Cvout39.2 193.02,62.02 C30.1 192.4,64.72 v1(192.4,66.61) ; v1(118.7,80.37) 118.39,80.06 Cvcc20.2 ; v1(204.89,23.73) 205.72,22.89 205.72,20.53 Cvout68.2 209.27,18.59 TMR68.3 ; TMR42.3 253.61,62.02 Cvout42.2 252.42,62.42 251.75,63.09 v1(251.75,67.38) ; v1(116.4,66.93) 116.4,63.07 117.05,62.42 Cvout35.2 118.23,62.02 TMR35.3 ; C26.2 46.24,89.88 C27.2 44.61,89.88 v1(45.86,88.63) 45.98,88.51 PMIC1.30 ; C26.2 46.48,89.74 PMIC1.31 PMIC1.30 ; v1(236.68,81.5) 235.24,80.06 Cvcc26.2 ; v1(92.67,86.35) 92.67,82.05 93.3,81.42 Cvout19.2 94.48,81.02 TMR19.3 ; v1(298.55,80.04) 298.53,80.06 Cvcc29.2 ; Cvcc9.2 184.71,99.06 185.09,99.44 185.09,99.91 187.99,102.81 v1(189.11,102.81) ; C28.1 188.17,98.53 MUXB5.3 ; C28.1 v1(186.34,99.51) ; C16.2 133.66,59.8 v1(133.64,59.78) ; Cvout7.2 139.41,100.02 139.39,100 138.8,100.59 C14.2 138.6,100.41 MUXB1.3 ; Cvout7.2 140.8,100.42 140.11,101.11 v1(140.11,105.04) ; Cvout7.2 141.98,100.02 TMR7.3 ; v1(165.01,98.95) 165.19,99.13 Cvcc8.2 ; 181.66,90.65 C20.1 181.66,91.26 v1(181.85,91.45) ; v1(277.67,43.48) 276.99,42.79 276.98,42.79 276.24,42.06 Cvcc57.2 ; v1(152.44,45.13) 152.44,43.04 151.46,42.06 Cvcc51.2 ; TMR13.3 255.98,100.02 Cvout13.2 254.8,100.42 254.11,101.11 v1(254.11,105.37) ; v1(113.94,102.86) 113.35,102.27 SW1.1 ; 163.14,44.42 163.89,45.17 v1(163.89,47.82) ; 163.14,44.42 163.14,44.38 ; 163.14,44.42 C31.1 ; TMR33.3 80.23,62.02 Cvout33.2 79.05,62.42 78.37,63.1 v1(78.37,67.24) ; v1(103.25,19.58) 102.47,18.8 102.47,14.71 Cvout63.2 102.11,13.96 TMR63.3 ; PMIC1.33 45.98,85.69 PMIC1.30 ; PMIC1.33 46.48,86.19 PMIC1.2 48.13,86.19 48.78,86.84 v1(48.78,86.84) ; PMIC1.33 45.98,84.19 PMIC1.6 48.39,84.19 v1(48.78,83.8) ; v1(220.88,48.3) 220.88,44.09 221.55,43.42 Cvout55.2 222.73,43.02 TMR55.3 ; v1(184.79,62.42) 184.78,62.41 MUXB7.14 ; v1(152.23,102.16) 152.04,101.97 149.77,101.97 146.85,99.06 Cvcc7.2 ; TMR32.3 61.23,62.02 Cvout32.2 60.05,62.42 59.36,63.11 v1(59.36,67.11) ; v1(227.14,41.13) 227.15,41.14 Cvcc55.2 ; TMR43.3 274.98,62.02 Cvout43.2 273.8,62.42 273.13,63.09 v1(273.13,67.3) ; v1(213.26,42.78) 212.54,42.06 Cvcc54.2 ; v1(299.42,99.37) 299.11,99.06 Cvcc15.2 ; v1(57.2,100.89) 54.46,100.89 52.63,99.06 Cvcc2.2 ; Cvcc1.2 32.71,99.06 34.28,100.63 38.44,100.63 v1(38.55,100.74) ; TMR58.3 289.23,43.02 Cvout58.2 287.43,43.64 v1(287.43,49.14) ; Cvcc12.2 v1(246.78,99.06) ; 204.05,79.57 v1(202.33,79.57) ; Cvcc16.2 37.81,80.06 C32.2 39.24,79.75 v1(42.1,76.89) ; Cvcc67.2 197.24,15 197.24,19.72 v1(196.26,20.71) ; Cvcc65.2 155.58,23.06 v1(155.88,22.76) ; v1(56.26,47.15) 55.14,47.15 50.05,42.06 Cvcc46.2 ; v1(268.43,29.81) 268.43,24.64 Cvout71.2 270.23,24.02 TMR71.3 ; v1(73.56,86.27) 73.56,82.16 74.3,81.42 Cvout18.2 75.48,81.02 TMR18.3 ; v1(166.51,79.8) 165.6,78.89 v1(165.6,70.62) ; Jusb1.A12 6.1,100.62 Jusb1.S1 ; v1(215.23,19.58) 215.2,19.61 Cvcc68.2 ; C33.2 148.54,76.05 v1(148.02,76.58) ; Cvcc63.2 110,11.14 v1(113.58,14.73) ; v1(59.42,29.99) 59.42,24.65 Cvout61.2 61.23,24.02 TMR61.3 ; v1(75.8,99.01) 75.75,99.06 Cvcc3.2 ; Cvcc45.2 v1(25.29,42.06) ; v1(159.14,104.93) 159.14,101.08 159.8,100.42 Cvout8.2 160.98,100.02 TMR8.3 ; Cvcc25.2 217.72,80.06 v1(218.69,81.03) ; v1(193.29,104.22) 193.28,104.21 C21.1 ; v1(197.16,104.99) 197.16,101.06 197.8,100.42 Cvout10.2 198.98,100.02 TMR10.3 ; Cvcc5.2 114.04,99.06 v1(114.07,99.03) ; v1(180.41,95.65) 180.42,95.66 Cvout9.2 180.46,97.18 TMR9.3 ; Cvcc10.2 206.24,99.06 v1(208.13,100.95) ; v1(127.61,62.43) 127.59,62.41 MUXB3.14 ; MUXA1.15 165.44,94.03 165.44,94.74 165.75,95.04 v1(165.75,95.09) ; v1(168.98,11.3) 169.42,10.86 169.42,8.79 Cvout66.2 173.02,6.79 TMR66.3 ; v1(125.92,48.06) 125.92,44.05 126.55,43.42 Cvout50.2 127.73,43.02 TMR50.3 ; C28.2 186.34,95.98 v1(185.39,95.03) ; v1(14.24,48.04) 14.24,44.1 14.93,43.42 Cvout45.2 16.11,43.02 TMR45.3 ; Cvcc64.2 127.05,5.89 130.62,9.46 v1(130.62,11.17) ; C35.2 151.05,75.57 v1(151.04,75.58) ; v1(173.41,67.1) 173.41,63.06 174.05,62.42 Cvout38.2 175.23,62.02 TMR38.3 ; v1(102.17,105.11) 102.17,101.05 102.8,100.42 Cvout5.2 103.98,100.02 TMR5.3 ; v1(145.46,79.95) 145.54,79.87 v1(145.54,78.78) ; Cvcc50.2 132.46,42.06 133.23,42.83 v1(133.49,42.83) ; TMR6.3 122.98,100.02 Cvout6.2 121.49,100.02 121.13,100.38 v1(121.13,104.7) ; v1(126.22,80.78) 126.22,80.91 126.73,81.41 MUXB2.3 128.47,81.41 C15.1 ; v1(169.1,108.44) 168.25,109.29 MDBT1.55 ; Cvcc6.2 v1(128.34,99.06) ; v1(139.69,41.2) 140.3,41.2 142.52,43.41 MUXB4.3 143.95,43.41 144.99,44.45 C17.2 145.55,44.21 Cvout51.2 146.73,43.02 TMR51.3 ; v1(66.75,81.79) 66.5,81.79 64.77,80.06 Cvcc17.2 ; Cvcc52.2 175.84,42.06 v1(175.87,42.03) ; TMR69.3 232.23,24.02 Cvout69.2 230.47,24.6 v1(230.47,30.13) ; Cvcc40.2 220.95,61.06 v1(222.34,62.45) 222.33,62.46 ; C30.2 191.06,62.41 MUXB7.3 188.48,62.41 187.71,61.65 v1(187.71,61.06) ; Cvcc28.2 276.01,80.06 v1(276.03,80.04) ; v1(41.03,84.57) 40.9,84.71 40.9,85.55 39.22,87.23 C19.2 ; v1(97.37,66.95) 97.37,63.1 98.05,62.42 Cvout34.2 99.23,62.02 TMR34.3 ; R6.1 43.94,79.56 R5.1 42.49,78.93 v1(42.38,78.82) ; Cvcc43.2 285.15,61.06 v1(285.16,61.07) ; v1(149.65,86.4) 149.65,82.07 150.3,81.42 Cvout22.2 151.48,81.02 TMR22.3 ; v1(292.16,67.45) 292.16,63.06 292.8,62.42 Cvout44.2 293.98,62.02 TMR44.3 ; v1(192.78,98.63) 192.94,98.46 MUXB5.14 ; 39.23,81.63 39.23,83.15 ; v1(216.16,105.13) 216.14,105.11 216.14,101.08 216.8,100.42 Cvout11.2 217.98,100.02 TMR11.3 ; 121.43,7.82 TMR64.3 120.41,8.71 Cvout64.2 120.71,9.39 120.71,13.28 v1(121.26,13.84) ; v1(90.7,61.05) 90.69,61.06 Cvcc33.2 ; v1(175.07,107.71) 175.55,108.19 MDBT1.2 ; Cvcc38.2 179.65,60.9 177.92,59.17 171.11,59.17 v1(169.36,60.92) ; TMR16.3 32.73,81.02 Cvout16.2 31.24,81.02 30.03,79.81 v1(30.03,75.45) ; v1(147.4,66.23) 146.77,65.6 C36.2 ; TMR27.3 246.48,81.02 Cvout27.2 245.3,81.42 244.57,82.15 v1(244.57,86.2) ; v1(287.4,86.21) 287.4,82.07 288.05,81.42 Cvout29.2 289.23,81.02 TMR29.3 ; C25.2 49.56,90.01 v1(48.94,90.63) ; v1(203.72,61.1) 203.68,61.06 Cvcc39.2 ; v1(52.1,66.31) 46.85,61.06 Cvcc31.2 ; Cvcc53.2 194.52,42.06 v1(194.56,42.1) ; TMR65.3 146.73,24.02 Cvout65.2 145.55,24.42 144.89,25.08 v1(144.89,29.17) ; v1(180.5,91.48) 180.4,91.58 MUXA2.15 ; 1.73,99.64 Jusb1.S1 ; Jusb1.S1 4.75,100.01 Jusb1.B1 ; TMR40.3 213.23,62.02 Cvout40.2 212.05,62.42 211.35,63.12 v1(211.35,67.04) ; C5.1 168.2,95.51 C1.2 168.25,95.09 C3.2 171.06,94.48 v1(171.42,94.48) ; TMR70.3 251.23,24.02 Cvout70.2 249.44,24.63 v1(249.44,29.74) ; Cvcc13.2 265.65,99.06 v1(265.66,99.07) ; v1(134,62.11) 133.73,61.84 C16.1 133.09,62.41 MUXB3.3 ; v1(103.73,85.26) 103.73,84.88 98.91,80.06 Cvcc19.2 ; v1(164.12,89.55) 164.16,89.51 165.72,89.51 MUXA1.8 ; v1(112.21,108.09) 113.35,106.95 SW1.1 ; 163.09,43.41 163.14,43.46 ; Cvcc18.2 85.23,80.06 v1(85.25,80.04) ; TMR15.3 293.98,100.02 Cvout15.2 292.8,100.42 292.13,101.09 v1(292.13,105.09) ; TMR30.3 20.86,62.02 Cvout30.2 19.66,62.02 19.04,61.39 19.04,56.7 v1(19.29,56.45) ; v1(198.89,79.41) 198.84,79.46 MUXB6.3 195.97,79.46 C29.2 ; TMR36.3 137.23,62.02 Cvout36.2 136.05,62.42 135.41,63.06 v1(135.41,66.6) ; v1(138.75,43.43) 138.73,43.41 MUXB4.14 136.28,43.41 134.71,44.98 C9.1 ; MDBT1.1 175.45,109.29 v1(174.6,108.44) ; Cvcc37.2 160.96,61.06 161.87,61.97 v1(161.87,64.1) ; v1(284.8,99.72) 284.14,99.06 Cvcc14.2 ; C34.1 145.44,74.72 v1(145.93,74.23) ; SW2.1 58.35,55.5 v1(57.61,56.24) ; v1(181.78,56.85) 181.79,56.86 C23.1 ; TMR4.3 84.98,100.02 Cvout4.2 83.8,100.42 83.14,101.08 v1(83.14,105.19) ; v1(176.19,82.53) 176.19,81.04 175.21,80.06 Cvcc23.2 ; Cvcc22.2 156.21,80.06 157.23,81.08 v1(157.23,83.1) ; Cvcc21.2 140.48,80.06 v1(141.86,81.44) 141.84,81.46 ; v1(230.39,67.21) 230.39,63.08 231.05,62.42 Cvout41.2 232.23,62.02 TMR41.3 ; Cvcc66.2 179.59,10.4 v1(181.35,10.4) ; v1(68.88,48.09) 68.88,44.09 69.55,43.42 Cvout47.2 70.73,43.02 TMR47.3 ; TMR54.3 203.73,43.02 Cvout54.2 202.55,43.42 201.87,44.1 v1(201.87,48.34) ; C14.1 137.76,102.57 v1(136.14,102.57) ; Cvout17.2 56.48,81.02 TMR17.3 56.96,79.99 v1(56.78,79.81) ; 255.78,81.46 v1(255.8,81.48) 252.63,81.48 251.21,80.06 Cvcc27.2 ; TMR14.3 274.98,100.02 Cvout14.2 273.8,100.42 273.14,101.08 v1(273.14,105.11) ; v1(176.04,99.16) 176.4,98.8 MDBT1.15 ; v1(57.64,47.32) 58.35,48.03 SW2.1 ; v1(235.14,105.19) 235.14,101.08 235.8,100.42 Cvout12.2 236.98,100.02 TMR12.3 ; 4.75,107.92 Jusb1.S1 ; v1(153.31,36.99) 153.31,39.72 C24.1 ; v1(30.7,61.07) 28.8,61.07 28.79,61.06 Cvcc30.2 ; v1(168.36,81.2) 168.54,81.02 Cvout23.2 170.48,81.02 TMR23.3 ; v1(241.72,62.46) 240.32,61.06 Cvcc41.2 ; v1(206.66,86.29) 206.66,82.06 207.3,81.42 Cvout25.2 208.48,81.02 TMR25.3 ; v1(263.62,86.16) 263.62,82.1 264.3,81.42 Cvout28.2 265.48,81.02 TMR28.3 ; v1(295.24,42.09) 295.21,42.06 Cvcc58.2 ; v1(186.78,17.64) 187.77,16.64 187.77,13.98 Cvout67.2 191.32,12.04 TMR67.3 ; Cvcc71.2 274.65,22.23 v1(274.72,22.16) ; v1(143.9,48.77) 144.99,47.68 C17.1 ; TMR3.3 65.98,100.02 Cvout3.2 64.8,100.42 64.13,101.09 v1(64.13,104.94) ; LEDDR1.33 148.98,71.96 ; Cvcc56.2 v1(251.8,42.06) ; TMR56.3 241.73,43.02 Cvout56.2 240.55,43.42 239.86,44.11 v1(239.86,48.13) ; TMR59.3 16.11,24.02 Cvout59.2 14.34,24.6 v1(14.34,30.05) ; C11.2 51.27,80.88 C10.2 50.58,80.03 v1(50.58,79.89) ; v1(80,44.19) 77.87,42.06 Cvcc47.2 ; v1(132.12,102.68) 130.71,102.68 129.48,101.45 C6.1 129.49,101.17 130.25,100.41 MUXB1.14 ; Cvcc4.2 94.84,99.06 v1(94.85,99.05) ; v1(237.41,22.23) 236.65,22.99 Cvcc69.2 ; TMR37.3 156.23,62.02 Cvout37.2 155.05,62.42 154.37,63.1 154.37,67.07 v1(154.4,67.1) ; MUXB8.14 156.5,43.41 v1(156.65,43.57) ; v1(27.2,24.87) 25.39,23.06 Cvcc59.2 ; TMR57.3 265.48,43.02 Cvout57.2 263.69,43.63 v1(263.69,48.92) ; TMR20.3 113.48,81.02 Cvout20.2 112.3,81.42 111.87,81.84 111.87,85.17 109.52,87.53 v1(108.53,87.53) ; 123.66,62.39 123.69,62.42 123.7,62.42 v1(123.82,62.3) 123.82,61.92 122.96,61.06 Cvcc35.2 ; v1(123.85,64.68) 124.52,64.01 C8.1 ; v1(85.1,25.9) 84.53,25.33 84.53,21.19 Cvout62.2 84.23,20.51 TMR62.3 ; v1(227.65,99.01) 227.6,99.06 Cvcc11.2 ; v1(71.19,23.87) 70.38,23.06 Cvcc61.2 ; v1(38.01,29.83) 38.01,24.68 Cvout60.2 39.86,24.02 TMR60.3 ; v1(293.97,22.16) 293.65,22.48 Cvcc72.2 ; v1(108.39,62.48) 106.97,61.06 Cvcc34.2
  Bottom w0.35: v1(196.31,81.08) 195.96,80.73 C29.1
